# KiCad board xiao_Breadboard_r1.kicad_pcb (continued)
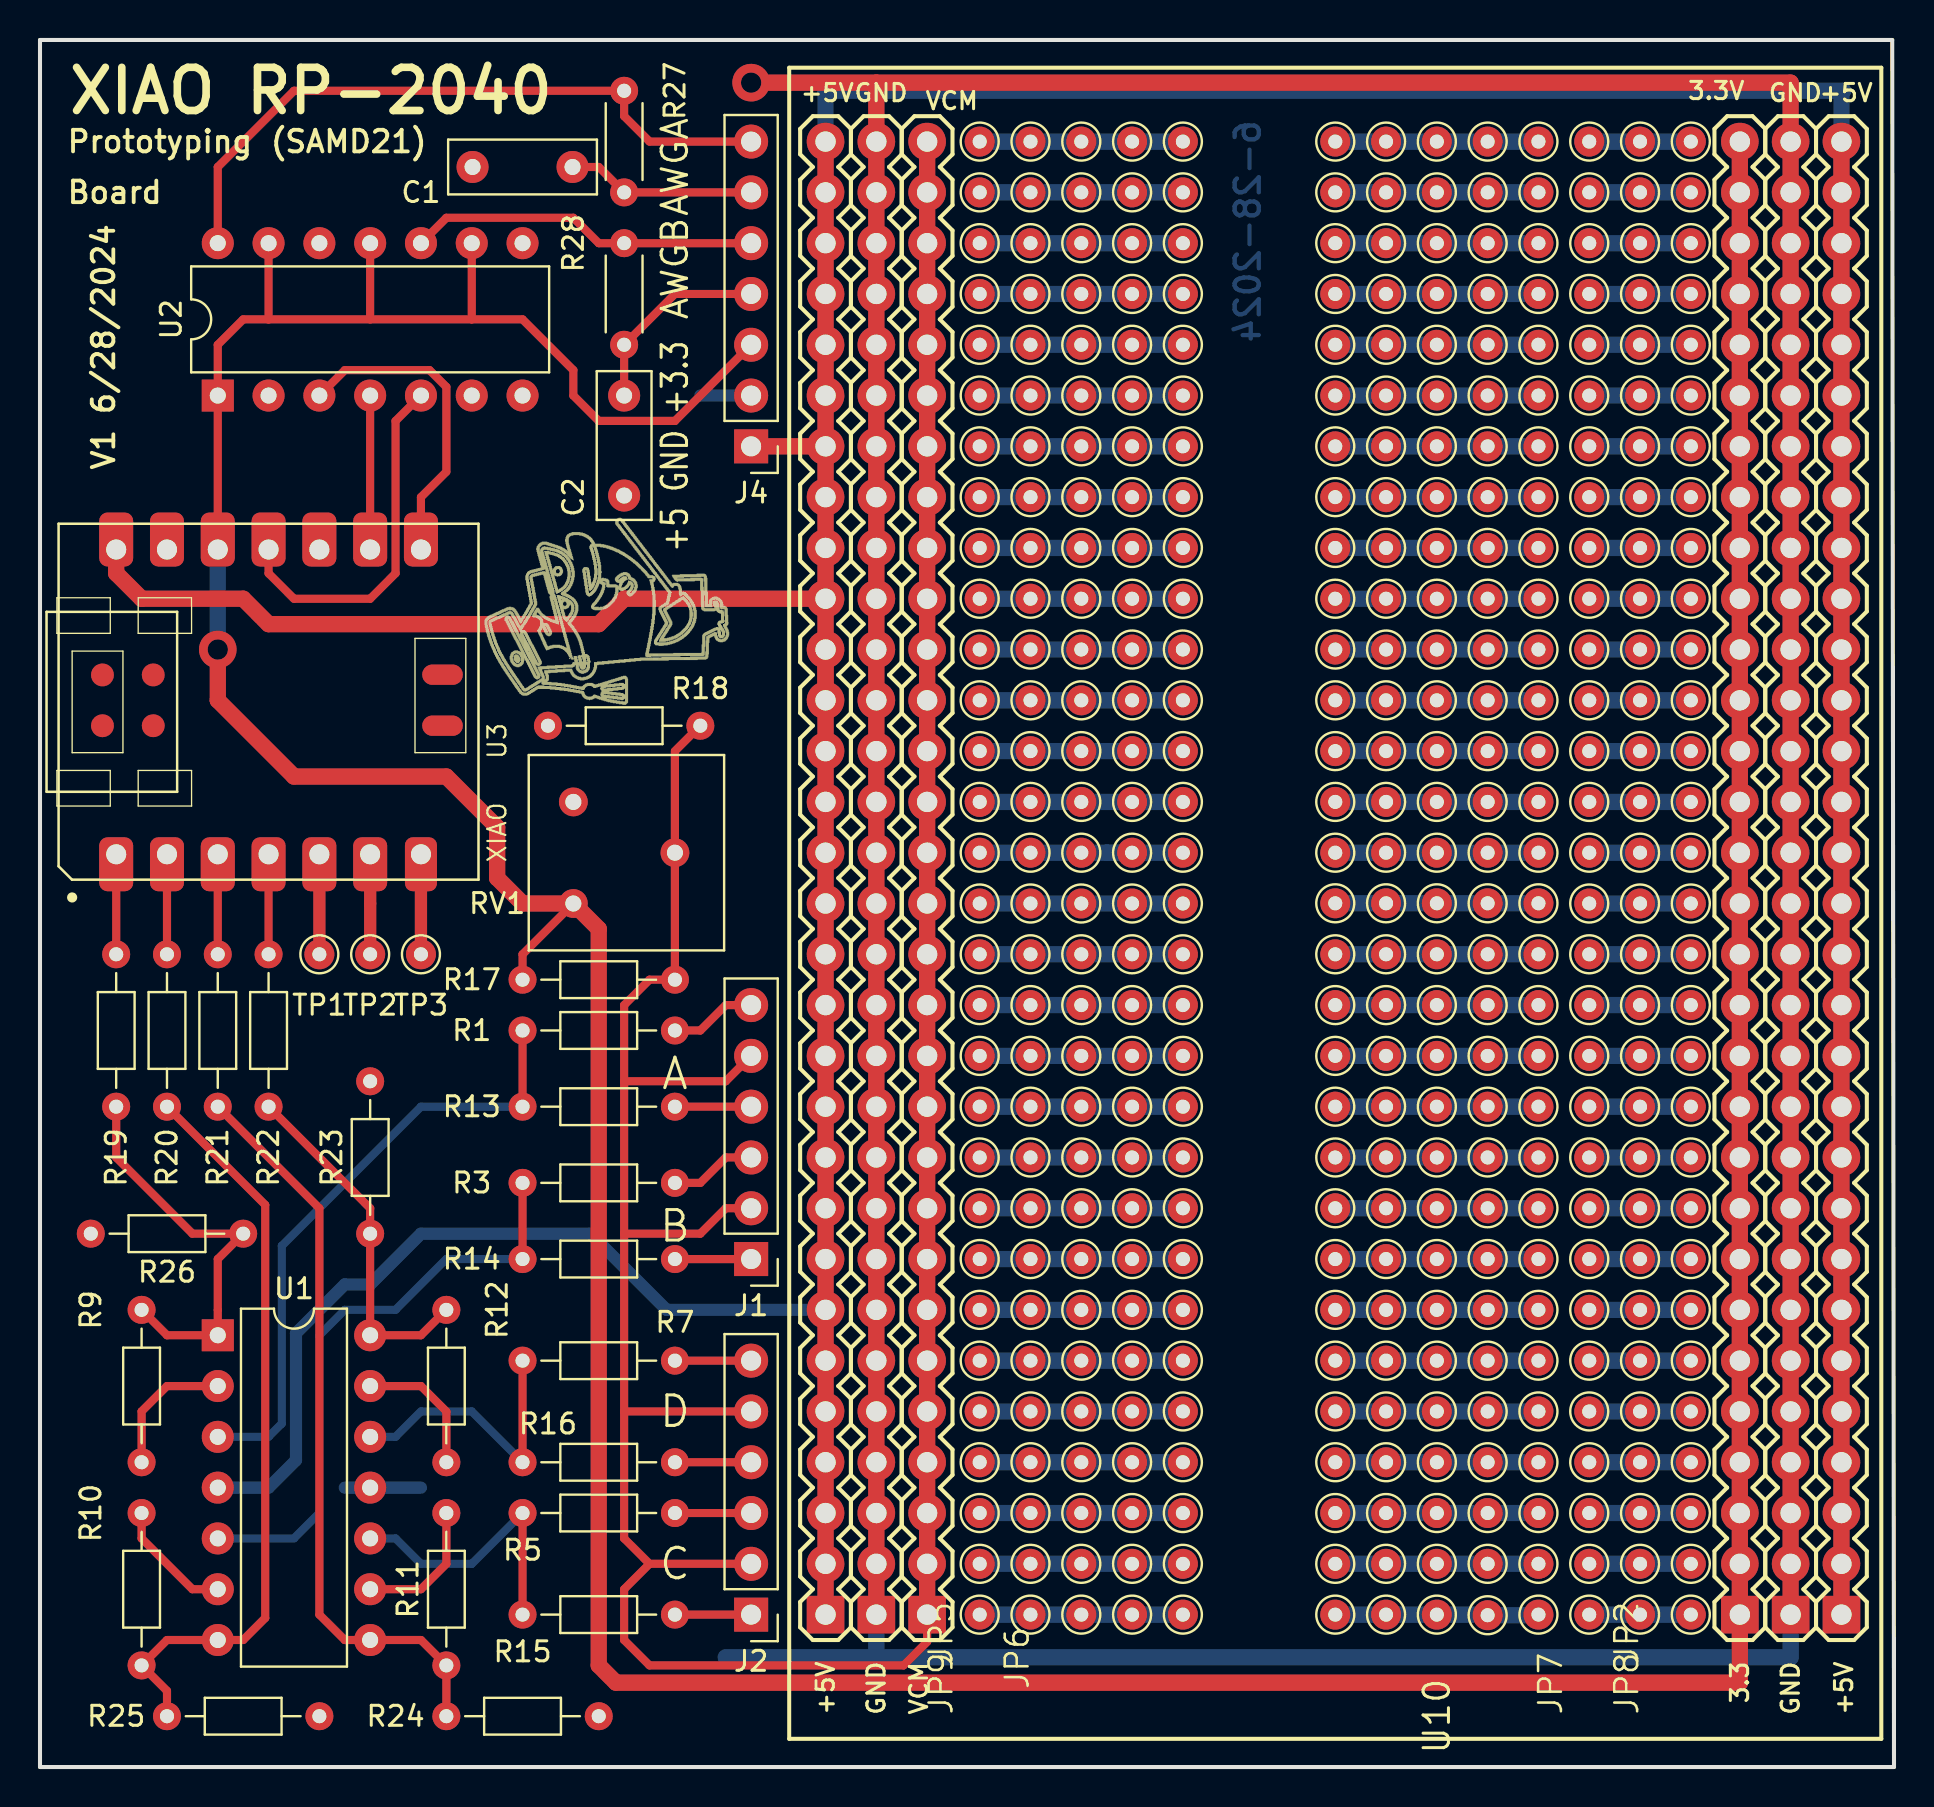
[diagram p0: board, top side]
## Placement (name value [footprint] x y rotation side) (continued)
TP242  ~  [TestPoint_THTPad_D1.5mm_Drill0.7mm]  72.39 38.1 0 top
TP243  ~  [TestPoint_THTPad_D1.5mm_Drill0.7mm]  74.93 38.1 0 top
TP244  ~  [TestPoint_THTPad_D1.5mm_Drill0.7mm]  64.77 35.56 0 top
TP245  ~  [TestPoint_THTPad_D1.5mm_Drill0.7mm]  67.31 35.56 0 top
TP246  ~  [TestPoint_THTPad_D1.5mm_Drill0.7mm]  69.85 35.56 0 top
TP247  ~  [TestPoint_THTPad_D1.5mm_Drill0.7mm]  72.39 35.56 0 top
TP248  ~  [TestPoint_THTPad_D1.5mm_Drill0.7mm]  74.93 35.56 0 top
TP249  ~  [TestPoint_THTPad_D1.5mm_Drill0.7mm]  64.77 33.02 0 top
TP250  ~  [TestPoint_THTPad_D1.5mm_Drill0.7mm]  67.31 33.02 0 top
TP251  ~  [TestPoint_THTPad_D1.5mm_Drill0.7mm]  69.85 33.02 0 top
TP252  ~  [TestPoint_THTPad_D1.5mm_Drill0.7mm]  72.39 33.02 0 top
TP253  ~  [TestPoint_THTPad_D1.5mm_Drill0.7mm]  74.93 33.02 0 top
TP254  ~  [TestPoint_THTPad_D1.5mm_Drill0.7mm]  64.77 30.48 0 top
TP255  ~  [TestPoint_THTPad_D1.5mm_Drill0.7mm]  67.31 30.48 0 top
TP256  ~  [TestPoint_THTPad_D1.5mm_Drill0.7mm]  69.85 30.48 0 top
TP257  ~  [TestPoint_THTPad_D1.5mm_Drill0.7mm]  72.39 30.48 0 top
TP258  ~  [TestPoint_THTPad_D1.5mm_Drill0.7mm]  74.93 30.48 0 top
TP259  ~  [TestPoint_THTPad_D1.5mm_Drill0.7mm]  64.77 27.94 0 top
TP260  ~  [TestPoint_THTPad_D1.5mm_Drill0.7mm]  67.31 27.94 0 top
TP261  ~  [TestPoint_THTPad_D1.5mm_Drill0.7mm]  69.85 27.94 0 top
TP262  ~  [TestPoint_THTPad_D1.5mm_Drill0.7mm]  72.39 27.94 0 top
TP263  ~  [TestPoint_THTPad_D1.5mm_Drill0.7mm]  74.93 27.94 0 top
TP264  ~  [TestPoint_THTPad_D1.5mm_Drill0.7mm]  72.39 25.4 0 top
TP265  ~  [TestPoint_THTPad_D1.5mm_Drill0.7mm]  74.93 25.4 0 top
TP266  ~  [TestPoint_THTPad_D1.5mm_Drill0.7mm]  64.77 25.4 0 top
TP267  ~  [TestPoint_THTPad_D1.5mm_Drill0.7mm]  67.31 25.4 0 top
TP268  ~  [TestPoint_THTPad_D1.5mm_Drill0.7mm]  69.85 25.4 0 top
TP269  ~  [TestPoint_THTPad_D1.5mm_Drill0.7mm]  64.77 22.86 0 top
TP270  ~  [TestPoint_THTPad_D1.5mm_Drill0.7mm]  67.31 22.86 0 top
TP271  ~  [TestPoint_THTPad_D1.5mm_Drill0.7mm]  69.85 22.86 0 top
TP272  ~  [TestPoint_THTPad_D1.5mm_Drill0.7mm]  72.39 22.86 0 top
TP273  ~  [TestPoint_THTPad_D1.5mm_Drill0.7mm]  74.93 22.86 0 top
TP274  ~  [TestPoint_THTPad_D1.5mm_Drill0.7mm]  64.77 20.32 0 top
TP275  ~  [TestPoint_THTPad_D1.5mm_Drill0.7mm]  67.31 20.32 0 top
TP276  ~  [TestPoint_THTPad_D1.5mm_Drill0.7mm]  69.85 20.32 0 top
TP277  ~  [TestPoint_THTPad_D1.5mm_Drill0.7mm]  72.39 20.32 0 top
TP278  ~  [TestPoint_THTPad_D1.5mm_Drill0.7mm]  74.93 20.32 0 top
TP279  ~  [TestPoint_THTPad_D1.5mm_Drill0.7mm]  64.77 17.78 0 top
TP280  ~  [TestPoint_THTPad_D1.5mm_Drill0.7mm]  67.31 17.78 0 top
TP281  ~  [TestPoint_THTPad_D1.5mm_Drill0.7mm]  69.85 17.78 0 top
TP282  ~  [TestPoint_THTPad_D1.5mm_Drill0.7mm]  72.39 17.78 0 top
TP283  ~  [TestPoint_THTPad_D1.5mm_Drill0.7mm]  74.93 17.78 0 top
TP284  ~  [TestPoint_THTPad_D1.5mm_Drill0.7mm]  64.77 15.24 0 top
TP285  ~  [TestPoint_THTPad_D1.5mm_Drill0.7mm]  67.31 15.24 0 top
TP286  ~  [TestPoint_THTPad_D1.5mm_Drill0.7mm]  69.85 15.24 0 top
TP287  ~  [TestPoint_THTPad_D1.5mm_Drill0.7mm]  72.39 15.24 0 top
TP288  ~  [TestPoint_THTPad_D1.5mm_Drill0.7mm]  74.93 15.24 0 top
TP289  ~  [TestPoint_THTPad_D1.5mm_Drill0.7mm]  64.77 12.7 0 top
TP290  ~  [TestPoint_THTPad_D1.5mm_Drill0.7mm]  67.31 12.7 0 top
TP291  ~  [TestPoint_THTPad_D1.5mm_Drill0.7mm]  69.85 12.7 0 top
TP292  ~  [TestPoint_THTPad_D1.5mm_Drill0.7mm]  72.39 12.7 0 top
TP293  ~  [TestPoint_THTPad_D1.5mm_Drill0.7mm]  74.93 12.7 0 top
TP294  ~  [TestPoint_THTPad_D1.5mm_Drill0.7mm]  64.77 10.16 0 top
TP295  ~  [TestPoint_THTPad_D1.5mm_Drill0.7mm]  67.31 10.16 0 top
TP296  ~  [TestPoint_THTPad_D1.5mm_Drill0.7mm]  69.85 10.16 0 top
TP297  ~  [TestPoint_THTPad_D1.5mm_Drill0.7mm]  72.39 10.16 0 top
TP298  ~  [TestPoint_THTPad_D1.5mm_Drill0.7mm]  74.93 10.16 0 top
TP299  ~  [TestPoint_THTPad_D1.5mm_Drill0.7mm]  64.77 7.62 0 top
TP300  ~  [TestPoint_THTPad_D1.5mm_Drill0.7mm]  67.31 7.62 0 top
TP301  ~  [TestPoint_THTPad_D1.5mm_Drill0.7mm]  69.85 7.62 0 top
TP302  ~  [TestPoint_THTPad_D1.5mm_Drill0.7mm]  72.39 7.59 0 top
TP303  ~  [TestPoint_THTPad_D1.5mm_Drill0.7mm]  74.93 7.62 0 top
TP304  ~  [TestPoint_THTPad_D1.5mm_Drill0.7mm]  77.47 81.28 0 top
TP305  ~  [TestPoint_THTPad_D1.5mm_Drill0.7mm]  80.01 81.28 0 top
TP306  ~  [TestPoint_THTPad_D1.5mm_Drill0.7mm]  82.55 81.28 0 top
TP307  ~  [TestPoint_THTPad_D1.5mm_Drill0.7mm]  77.47 78.74 0 top
TP308  ~  [TestPoint_THTPad_D1.5mm_Drill0.7mm]  77.47 76.2 0 top
TP309  ~  [TestPoint_THTPad_D1.5mm_Drill0.7mm]  80.01 76.2 0 top
TP310  ~  [TestPoint_THTPad_D1.5mm_Drill0.7mm]  82.55 76.2 0 top
TP311  ~  [TestPoint_THTPad_D1.5mm_Drill0.7mm]  77.47 73.66 0 top
TP312  ~  [TestPoint_THTPad_D1.5mm_Drill0.7mm]  80.01 73.66 0 top
TP313  ~  [TestPoint_THTPad_D1.5mm_Drill0.7mm]  82.55 73.66 0 top
TP314  ~  [TestPoint_THTPad_D1.5mm_Drill0.7mm]  77.47 71.12 0 top
TP315  ~  [TestPoint_THTPad_D1.5mm_Drill0.7mm]  80.01 71.12 0 top
TP316  ~  [TestPoint_THTPad_D1.5mm_Drill0.7mm]  82.55 71.12 0 top
TP317  ~  [TestPoint_THTPad_D1.5mm_Drill0.7mm]  77.47 68.58 0 top
TP318  ~  [TestPoint_THTPad_D1.5mm_Drill0.7mm]  77.47 66.04 0 top
TP319  ~  [TestPoint_THTPad_D1.5mm_Drill0.7mm]  80.01 66.04 0 top
TP320  ~  [TestPoint_THTPad_D1.5mm_Drill0.7mm]  82.55 66.04 0 top
TP321  ~  [TestPoint_THTPad_D1.5mm_Drill0.7mm]  77.47 63.5 0 top
TP322  ~  [TestPoint_THTPad_D1.5mm_Drill0.7mm]  80.01 63.5 0 top
TP323  ~  [TestPoint_THTPad_D1.5mm_Drill0.7mm]  82.55 63.5 0 top
TP324  ~  [TestPoint_THTPad_D1.5mm_Drill0.7mm]  77.47 60.96 0 top
TP325  ~  [TestPoint_THTPad_D1.5mm_Drill0.7mm]  80.01 60.96 0 top
TP326  ~  [TestPoint_THTPad_D1.5mm_Drill0.7mm]  82.55 60.96 0 top
TP327  ~  [TestPoint_THTPad_D1.5mm_Drill0.7mm]  77.47 58.42 0 top
TP328  ~  [TestPoint_THTPad_D1.5mm_Drill0.7mm]  80.01 58.42 0 top
TP329  ~  [TestPoint_THTPad_D1.5mm_Drill0.7mm]  82.55 58.42 0 top
TP330  ~  [TestPoint_THTPad_D1.5mm_Drill0.7mm]  77.47 55.88 0 top
TP331  ~  [TestPoint_THTPad_D1.5mm_Drill0.7mm]  80.01 55.88 0 top
TP332  ~  [TestPoint_THTPad_D1.5mm_Drill0.7mm]  82.55 55.88 0 top
TP333  ~  [TestPoint_THTPad_D1.5mm_Drill0.7mm]  80.01 78.74 0 top
TP334  ~  [TestPoint_THTPad_D1.5mm_Drill0.7mm]  82.55 78.74 0 top
TP335  ~  [TestPoint_THTPad_D1.5mm_Drill0.7mm]  77.47 53.34 0 top
TP336  ~  [TestPoint_THTPad_D1.5mm_Drill0.7mm]  80.01 53.34 0 top
TP337  ~  [TestPoint_THTPad_D1.5mm_Drill0.7mm]  82.55 53.34 0 top
TP338  ~  [TestPoint_THTPad_D1.5mm_Drill0.7mm]  77.47 50.8 0 top
TP339  ~  [TestPoint_THTPad_D1.5mm_Drill0.7mm]  80.01 50.8 0 top
TP340  ~  [TestPoint_THTPad_D1.5mm_Drill0.7mm]  82.55 50.8 0 top
TP341  ~  [TestPoint_THTPad_D1.5mm_Drill0.7mm]  77.47 48.26 0 top
TP342  ~  [TestPoint_THTPad_D1.5mm_Drill0.7mm]  80.01 48.26 0 top
TP343  ~  [TestPoint_THTPad_D1.5mm_Drill0.7mm]  82.55 48.26 0 top
TP344  ~  [TestPoint_THTPad_D1.5mm_Drill0.7mm]  77.47 45.72 0 top
TP345  ~  [TestPoint_THTPad_D1.5mm_Drill0.7mm]  80.01 45.72 0 top
TP346  ~  [TestPoint_THTPad_D1.5mm_Drill0.7mm]  82.55 45.72 0 top
TP347  ~  [TestPoint_THTPad_D1.5mm_Drill0.7mm]  82.55 68.58 0 top
TP348  ~  [TestPoint_THTPad_D1.5mm_Drill0.7mm]  80.01 68.58 0 top
TP349  ~  [TestPoint_THTPad_D1.5mm_Drill0.7mm]  77.47 43.18 0 top
TP350  ~  [TestPoint_THTPad_D1.5mm_Drill0.7mm]  80.01 43.18 0 top
TP351  ~  [TestPoint_THTPad_D1.5mm_Drill0.7mm]  82.55 43.18 0 top
TP352  ~  [TestPoint_THTPad_D1.5mm_Drill0.7mm]  77.47 40.64 0 top
TP353  ~  [TestPoint_THTPad_D1.5mm_Drill0.7mm]  80.01 40.64 0 top
TP354  ~  [TestPoint_THTPad_D1.5mm_Drill0.7mm]  82.55 40.64 0 top
TP355  ~  [TestPoint_THTPad_D1.5mm_Drill0.7mm]  77.47 38.1 0 top
TP356  ~  [TestPoint_THTPad_D1.5mm_Drill0.7mm]  80.01 38.1 0 top
TP357  ~  [TestPoint_THTPad_D1.5mm_Drill0.7mm]  82.55 38.1 0 top
TP358  ~  [TestPoint_THTPad_D1.5mm_Drill0.7mm]  77.47 35.56 0 top
TP359  ~  [TestPoint_THTPad_D1.5mm_Drill0.7mm]  80.01 35.56 0 top
TP360  ~  [TestPoint_THTPad_D1.5mm_Drill0.7mm]  82.55 35.56 0 top
TP361  ~  [TestPoint_THTPad_D1.5mm_Drill0.7mm]  77.47 33.02 0 top
TP362  ~  [TestPoint_THTPad_D1.5mm_Drill0.7mm]  80.01 33.02 0 top
TP363  ~  [TestPoint_THTPad_D1.5mm_Drill0.7mm]  82.55 33.02 0 top
TP364  ~  [TestPoint_THTPad_D1.5mm_Drill0.7mm]  77.47 30.48 0 top
TP365  ~  [TestPoint_THTPad_D1.5mm_Drill0.7mm]  80.01 30.48 0 top
TP366  ~  [TestPoint_THTPad_D1.5mm_Drill0.7mm]  82.55 30.48 0 top
TP367  ~  [TestPoint_THTPad_D1.5mm_Drill0.7mm]  77.47 27.94 0 top
TP368  ~  [TestPoint_THTPad_D1.5mm_Drill0.7mm]  80.01 27.94 0 top
TP369  ~  [TestPoint_THTPad_D1.5mm_Drill0.7mm]  82.55 27.94 0 top
TP370  ~  [TestPoint_THTPad_D1.5mm_Drill0.7mm]  77.47 25.4 0 top
TP371  ~  [TestPoint_THTPad_D1.5mm_Drill0.7mm]  80.01 25.4 0 top
TP372  ~  [TestPoint_THTPad_D1.5mm_Drill0.7mm]  82.55 25.4 0 top
TP373  ~  [TestPoint_THTPad_D1.5mm_Drill0.7mm]  77.47 22.86 0 top
TP374  ~  [TestPoint_THTPad_D1.5mm_Drill0.7mm]  80.01 22.86 0 top
TP375  ~  [TestPoint_THTPad_D1.5mm_Drill0.7mm]  82.55 22.86 0 top
TP376  ~  [TestPoint_THTPad_D1.5mm_Drill0.7mm]  77.47 20.32 0 top
TP377  ~  [TestPoint_THTPad_D1.5mm_Drill0.7mm]  80.01 20.32 0 top
TP378  ~  [TestPoint_THTPad_D1.5mm_Drill0.7mm]  82.55 20.32 0 top
TP379  ~  [TestPoint_THTPad_D1.5mm_Drill0.7mm]  77.47 17.78 0 top
TP380  ~  [TestPoint_THTPad_D1.5mm_Drill0.7mm]  80.01 17.78 0 top
TP381  ~  [TestPoint_THTPad_D1.5mm_Drill0.7mm]  82.55 17.78 0 top
TP382  ~  [TestPoint_THTPad_D1.5mm_Drill0.7mm]  77.47 15.24 0 top
TP383  ~  [TestPoint_THTPad_D1.5mm_Drill0.7mm]  80.01 15.24 0 top
TP384  ~  [TestPoint_THTPad_D1.5mm_Drill0.7mm]  82.55 15.24 0 top
TP385  ~  [TestPoint_THTPad_D1.5mm_Drill0.7mm]  77.47 12.7 0 top
TP386  ~  [TestPoint_THTPad_D1.5mm_Drill0.7mm]  80.01 12.7 0 top
TP387  ~  [TestPoint_THTPad_D1.5mm_Drill0.7mm]  82.55 12.7 0 top
TP388  ~  [TestPoint_THTPad_D1.5mm_Drill0.7mm]  77.47 10.16 0 top
TP389  ~  [TestPoint_THTPad_D1.5mm_Drill0.7mm]  80.01 10.16 0 top
TP390  ~  [TestPoint_THTPad_D1.5mm_Drill0.7mm]  82.55 10.16 0 top
TP391  ~  [TestPoint_THTPad_D1.5mm_Drill0.7mm]  82.55 7.62 0 top
TP392  ~  [TestPoint_THTPad_D1.5mm_Drill0.7mm]  80.01 7.62 0 top
TP393  ~  [TestPoint_THTPad_D1.5mm_Drill0.7mm]  77.47 7.62 0 top
U1  LM324  [DIP-14_W7.62mm]  8.89 21.59 0 top
U2  MCP4922-EP  [DIP-14_W7.62mm]  8.89 68.58 90 top
U3  XIAO  [XIAO-MOUDLE14P-SMD-TH]  21.93 44.37 90 top
U10  BREADBOARDCLEAR  [BREADBOARD_CLEAR]  64.77 43.19 270 top

## Library data of the parts
C1 C2 = -: Description: Unpolarized capacitor
J1 J2 = -: Description: Generic connector, single row, 01x06, script generated
J4 = -: Description: Generic connector, single row, 01x07, script generated
R1 R3 R5 R7 R9-R28 = -: Description: Resistor, US symbol
RV1 = -: Description: Potentiometer, US symbol
TP1-TP393 = -: Description: test point
U1 = -: Description: Low-Power, Quad-Operational Amplifiers, DIP-14/SOIC-14/SSOP-14
U2 = -: Description: Dual 12-bit Digital to Analog Converter, SPI Interface, PDIP-14

## Footprints (pads in the part's own frame, mm; a bottom-side part is the same pattern mirrored in y, then rotated)
1X30
  rect 1.88x1.88 hole 1.016: 1(0,0)
  round 1.88 hole 1.016: 2(2.54,0) 3(5.08,0) 4(7.62,0) 5(10.16,0) 6(12.7,0) 7(15.24,0) 8(17.78,0) 9(20.32,0) 10(22.86,0) 11(25.4,0) 12(27.94,0) 13(30.48,0) 14(33.02,0) 15(35.56,0) 16(38.1,0) 17(40.64,0) 18(43.18,0) 19(45.72,0) 20(48.26,0) 21(50.8,0) 22(53.34,0) 23(55.88,0) 24(58.42,0) 25(60.96,0) 26(63.5,0) 27(66.04,0) 28(68.58,0) 29(71.12,0) 30(73.66,0)
C_Rect_L7.2mm_W2.5mm_P5.00mm_FKS2_FKP2_MKS2_MKP2
  round 1.6 hole 0.8: 1(0,0) 2(5,0)
DIP-14_W7.62mm
  rect 1.6x1.6 hole 0.8: 1(0,0)
  oval 1.6x1.6 hole 0.8: 2(0,-2.54) 3(0,-5.08) 4(0,-7.62) 5(0,-10.16) 6(0,-12.7) 7(0,-15.24) 8(7.62,-15.24) 9(7.62,-12.7) 10(7.62,-10.16) 11(7.62,-7.62) 12(7.62,-5.08) 13(7.62,-2.54) 14(7.62,0)
PinHeader_1x06_P2.54mm_Vertical
  rect 1.7x1.7 hole 1: 1(0,0)
  oval 1.7x1.7 hole 1: 2(0,-2.54) 3(0,-5.08) 4(0,-7.62) 5(0,-10.16) 6(0,-12.7)
PinHeader_1x07_P2.54mm_Vertical
  rect 1.7x1.7 hole 1: 1(0,0)
  oval 1.7x1.7 hole 1: 2(0,-2.54) 3(0,-5.08) 4(0,-7.62) 5(0,-10.16) 6(0,-12.7) 7(0,-15.24)
Potentiometer_Bourns_3386F_Vertical
  round 1.44 hole 0.8: 1(0,0) 2(5.08,2.54) 3(0,5.08)
R_Axial_DIN0204_L3.6mm_D1.6mm_P5.08mm_Horizontal
  round 1.4 hole 0.7: 1(0,0)
  oval 1.4x1.4 hole 0.7: 2(5.08,0)
R_Axial_DIN0204_L3.6mm_D1.6mm_P7.62mm_Horizontal
  round 1.4 hole 0.7: 1(0,0)
  oval 1.4x1.4 hole 0.7: 2(7.62,0)
TestPoint_THTPad_D1.5mm_Drill0.7mm
  round 1.5 hole 0.7: 1(0,0)
XIAO-MOUDLE14P-SMD-TH
  rrect 2.7x1.7 hole 1: 1(1.27,18.118) 2(1.27,15.578) 3(1.27,13.038) 4(1.27,10.498) 5(1.27,7.958) 6(1.27,5.418) 8(16.51,2.878) 9(16.51,5.418) 10(16.51,7.958) 11(16.51,10.498) 12(16.51,13.038) 13(16.51,15.578) 14(16.51,18.118)
  rrect 2.7x1.6 hole 1: 7(1.27,2.878)
  oval 1.016x2.032 smd: 15(7.7,1.8) 16(10.25,1.8)
  round 1.143 smd: 17(7.699,18.804) 18(10.239,18.804) 19(7.699,16.264) 20(10.239,16.264)

## Nets
5V: J4.1 JP6.1 JP6.2 JP6.3 JP6.4 JP6.5 JP6.6 JP6.7 JP6.8 JP6.9 JP6.10 JP6.11 JP6.12 JP6.13 JP6.14 JP6.15 JP6.16 JP6.17 JP6.18 JP6.19 JP6.20 JP6.21 JP6.22 JP6.23 JP6.24 JP6.25 JP6.26 JP6.27 JP6.28 JP6.29 JP6.30 JP8.1 JP8.2 JP8.3 JP8.4 JP8.5 JP8.6 JP8.7 JP8.8 JP8.9 JP8.10 JP8.11 JP8.12 JP8.13 JP8.14 JP8.15 JP8.16 JP8.17 JP8.18 JP8.19 JP8.20 JP8.21 JP8.22 JP8.23 JP8.24 JP8.25 JP8.26 JP8.27 JP8.28 JP8.29 JP8.30 U1.4 U3.14
/3.3V: J4.3 JP2.1 JP2.2 JP2.3 JP2.4 JP2.5 JP2.6 JP2.7 JP2.8 JP2.9 JP2.10 JP2.11 JP2.12 JP2.13 JP2.14 JP2.15 JP2.16 JP2.17 JP2.18 JP2.19 JP2.20 JP2.21 JP2.22 JP2.23 JP2.24 JP2.25 JP2.26 JP2.27 JP2.28 JP2.29 JP2.30 R17.1 RV1.1 U2.1 U2.9 U2.11 U2.13 U3.12
GND: C1.2 C2.2 J4.2 JP5.1 JP5.2 JP5.3 JP5.4 JP5.5 JP5.6 JP5.7 JP5.8 JP5.9 JP5.10 JP5.11 JP5.12 JP5.13 JP5.14 JP5.15 JP5.16 JP5.17 JP5.18 JP5.19 JP5.20 JP5.21 JP5.22 JP5.23 JP5.24 JP5.25 JP5.26 JP5.27 JP5.28 JP5.29 JP5.30 JP7.1 JP7.2 JP7.3 JP7.4 JP7.5 JP7.6 JP7.7 JP7.8 JP7.9 JP7.10 JP7.11 JP7.12 JP7.13 JP7.14 JP7.15 JP7.16 JP7.17 JP7.18 JP7.19 JP7.20 JP7.21 JP7.22 JP7.23 JP7.24 JP7.25 JP7.26 JP7.27 JP7.28 JP7.29 JP7.30 R18.2 R23.2 R24.2 R25.2 R26.2 RV1.3 U1.11 U2.8 U2.12 U3.13
/A: J1.6 R1.2
/B: J1.3 R3.2
/C: J2.3 R5.2
/D: J2.6 R7.2
/VCM: J1.2 J1.5 J2.2 J2.5 JP9.1 JP9.2 JP9.3 JP9.4 JP9.5 JP9.6 JP9.7 JP9.8 JP9.9 JP9.10 JP9.11 JP9.12 JP9.13 JP9.14 JP9.15 JP9.16 JP9.17 JP9.18 JP9.19 JP9.20 JP9.21 JP9.22 JP9.23 JP9.24 JP9.25 JP9.26 JP9.27 JP9.28 JP9.29 JP9.30 R17.2 R18.1 RV1.2
/x5: TP1.1 U3.5
/x6: TP2.1 U3.6
/x7: TP3.1 U3.7
Net-(J1-Pin_1): J1.1 R14.2
Net-(J1-Pin_4): J1.4 R13.2
Net-(J2-Pin_1): J2.1 R15.2
Net-(J2-Pin_4): J2.4 R16.2
Net-(J4-Pin_4): C2.1 J4.4 R28.1
Net-(J4-Pin_5): J4.5 R28.2 U2.10
Net-(J4-Pin_6): C1.1 J4.6 R27.1
Net-(J4-Pin_7): J4.7 R27.2 U2.14
Net-(R10-Pad1): R10.1 R20.2 R25.1 U1.7
Net-(R11-Pad1): R11.1 R21.2 R24.1 U1.8
Net-(R12-Pad1): R12.1 R22.2 R23.1 U1.14
Net-(R19-Pad2): R9.1 R19.2 R26.1 U1.1
Net-(TP4-Pad1): TP4.1 TP5.1 TP6.1 TP7.1 TP8.1
Net-(TP10-Pad1): TP9.1 TP10.1 TP11.1 TP12.1 TP13.1
Net-(TP14-Pad1): TP14.1 TP15.1 TP16.1 TP17.1 TP18.1
Net-(TP19-Pad1): TP19.1 TP20.1 TP21.1 TP22.1 TP23.1
Net-(TP24-Pad1): TP24.1 TP25.1 TP26.1 TP27.1 TP28.1
Net-(TP29-Pad1): TP29.1 TP30.1 TP31.1 TP32.1 TP33.1
Net-(TP34-Pad1): TP34.1 TP35.1 TP36.1 TP37.1 TP38.1
Net-(TP39-Pad1): TP39.1 TP40.1 TP41.1 TP42.1 TP43.1
Net-(TP44-Pad1): TP44.1 TP45.1 TP46.1 TP47.1 TP48.1
Net-(TP49-Pad1): TP49.1 TP50.1 TP51.1 TP52.1 TP53.1
Net-(TP54-Pad1): TP54.1 TP55.1 TP56.1 TP57.1 TP58.1
Net-(TP59-Pad1): TP59.1 TP60.1 TP61.1 TP62.1 TP63.1
Net-(TP64-Pad1): TP64.1 TP65.1 TP66.1 TP67.1 TP68.1
Net-(TP69-Pad1): TP69.1 TP70.1 TP71.1 TP72.1 TP73.1
Net-(TP74-Pad1): TP74.1 TP75.1 TP76.1 TP77.1 TP78.1
Net-(TP79-Pad1): TP79.1 TP80.1 TP81.1 TP82.1 TP83.1
Net-(TP84-Pad1): TP84.1 TP85.1 TP86.1 TP87.1 TP88.1
Net-(TP89-Pad1): TP89.1 TP90.1 TP91.1 TP92.1 TP93.1
Net-(TP94-Pad1): TP94.1 TP95.1 TP96.1 TP97.1 TP98.1
Net-(TP100-Pad1): TP99.1 TP100.1 TP101.1 TP102.1 TP103.1
Net-(TP104-Pad1): TP104.1 TP105.1 TP106.1 TP107.1 TP108.1
Net-(TP109-Pad1): TP109.1 TP110.1 TP111.1 TP112.1 TP113.1
Net-(TP114-Pad1): TP114.1 TP115.1 TP116.1 TP117.1 TP118.1
Net-(TP119-Pad1): TP119.1 TP120.1 TP121.1 TP122.1 TP123.1
Net-(TP124-Pad1): TP124.1 TP125.1 TP126.1 TP127.1 TP128.1
Net-(TP129-Pad1): TP129.1 TP130.1 TP131.1 TP132.1 TP133.1
Net-(TP134-Pad1): TP134.1 TP135.1 TP136.1 TP137.1 TP138.1
Net-(TP139-Pad1): TP139.1 TP140.1 TP141.1 TP142.1 TP143.1
Net-(TP144-Pad1): TP144.1 TP145.1 TP146.1 TP147.1 TP148.1
Net-(TP149-Pad1): TP149.1 TP150.1 TP151.1 TP152.1 TP153.1
Net-(TP154-Pad1): TP154.1 TP155.1 TP156.1 TP157.1 TP158.1
Net-(TP159-Pad1): TP159.1 TP160.1 TP161.1 TP162.1 TP163.1
Net-(TP164-Pad1): TP164.1 TP165.1 TP166.1 TP167.1 TP168.1
Net-(TP169-Pad1): TP169.1 TP170.1 TP171.1 TP172.1 TP173.1
Net-(TP174-Pad1): TP174.1 TP175.1 TP176.1 TP177.1 TP178.1
Net-(TP179-Pad1): TP179.1 TP180.1 TP181.1 TP182.1 TP183.1
Net-(TP184-Pad1): TP184.1 TP185.1 TP186.1 TP187.1 TP188.1
Net-(TP189-Pad1): TP189.1 TP190.1 TP191.1 TP192.1 TP193.1
Net-(TP194-Pad1): TP194.1 TP195.1 TP196.1 TP197.1 TP198.1
Net-(TP199-Pad1): TP199.1 TP200.1 TP201.1 TP202.1 TP203.1
Net-(TP204-Pad1): TP204.1 TP205.1 TP206.1 TP207.1 TP208.1
Net-(TP209-Pad1): TP209.1 TP210.1 TP211.1 TP212.1 TP213.1
Net-(TP214-Pad1): TP214.1 TP215.1 TP216.1 TP217.1 TP218.1
Net-(TP219-Pad1): TP219.1 TP220.1 TP221.1 TP222.1 TP223.1
Net-(TP224-Pad1): TP224.1 TP225.1 TP226.1 TP227.1 TP228.1
Net-(TP229-Pad1): TP229.1 TP230.1 TP231.1 TP232.1 TP233.1
Net-(TP234-Pad1): TP234.1 TP235.1 TP236.1 TP237.1 TP238.1
Net-(TP239-Pad1): TP239.1 TP240.1 TP241.1 TP242.1 TP243.1
Net-(TP244-Pad1): TP244.1 TP245.1 TP246.1 TP247.1 TP248.1
Net-(TP249-Pad1): TP249.1 TP250.1 TP251.1 TP252.1 TP253.1
Net-(TP254-Pad1): TP254.1 TP255.1 TP256.1 TP257.1 TP258.1
Net-(TP259-Pad1): TP259.1 TP260.1 TP261.1 TP262.1 TP263.1
Net-(TP264-Pad1): TP264.1 TP265.1 TP266.1 TP267.1 TP268.1
Net-(TP269-Pad1): TP269.1 TP270.1 TP271.1 TP272.1 TP273.1
Net-(TP274-Pad1): TP274.1 TP275.1 TP276.1 TP277.1 TP278.1
Net-(TP279-Pad1): TP279.1 TP280.1 TP281.1 TP282.1 TP283.1
Net-(TP284-Pad1): TP284.1 TP285.1 TP286.1 TP287.1 TP288.1
Net-(TP289-Pad1): TP289.1 TP290.1 TP291.1 TP292.1 TP293.1
Net-(TP294-Pad1): TP294.1 TP295.1 TP296.1 TP297.1 TP298.1
Net-(TP299-Pad1): TP299.1 TP300.1 TP301.1 TP302.1 TP303.1
Net-(TP304-Pad1): TP304.1 TP305.1 TP306.1
Net-(TP307-Pad1): TP307.1 TP333.1 TP334.1
Net-(TP308-Pad1): TP308.1 TP309.1 TP310.1
Net-(TP311-Pad1): TP311.1 TP312.1 TP313.1
Net-(TP314-Pad1): TP314.1 TP315.1 TP316.1
Net-(TP317-Pad1): TP317.1 TP347.1 TP348.1
Net-(TP318-Pad1): TP318.1 TP319.1 TP320.1
Net-(TP321-Pad1): TP321.1 TP322.1 TP323.1
Net-(TP324-Pad1): TP324.1 TP325.1 TP326.1
Net-(TP327-Pad1): TP327.1 TP328.1 TP329.1
Net-(TP330-Pad1): TP330.1 TP331.1 TP332.1
Net-(TP335-Pad1): TP335.1 TP336.1 TP337.1
Net-(TP338-Pad1): TP338.1 TP339.1 TP340.1
Net-(TP341-Pad1): TP341.1 TP342.1 TP343.1
Net-(TP344-Pad1): TP344.1 TP345.1 TP346.1
Net-(TP349-Pad1): TP349.1 TP350.1 TP351.1
Net-(TP352-Pad1): TP352.1 TP353.1 TP354.1
Net-(TP355-Pad1): TP355.1 TP356.1 TP357.1
Net-(TP358-Pad1): TP358.1 TP359.1 TP360.1
Net-(TP361-Pad1): TP361.1 TP362.1 TP363.1
Net-(TP364-Pad1): TP364.1 TP365.1 TP366.1
Net-(TP367-Pad1): TP367.1 TP368.1 TP369.1
Net-(TP370-Pad1): TP370.1 TP371.1 TP372.1
Net-(TP373-Pad1): TP373.1 TP374.1 TP375.1
Net-(TP376-Pad1): TP376.1 TP377.1 TP378.1
Net-(TP379-Pad1): TP379.1 TP380.1 TP381.1
Net-(TP382-Pad1): TP382.1 TP383.1 TP384.1
Net-(TP385-Pad1): TP385.1 TP386.1 TP387.1
Net-(TP388-Pad1): TP388.1 TP389.1 TP390.1
Net-(TP391-Pad1): TP391.1 TP392.1 TP393.1
Net-(U1A-+): R1.1 R13.1 U1.3
Net-(U1A--): R9.2 U1.2
Net-(U1B-+): R3.1 R14.1 U1.5
Net-(U1B--): R10.2 U1.6
Net-(U1C-+): R5.1 R15.1 U1.10
Net-(U1C--): R11.2 U1.9
Net-(U1D-+): R7.1 R16.1 U1.12
Net-(U1D--): R12.2 U1.13
Net-(U2-SCK): U2.4 U3.9
Net-(U2-SDI): U2.5 U3.11
Net-(U2-~{CS}): U2.3 U3.8
Net-(U3-PA02_A0_D0): R19.1 U3.1
Net-(U3-PA4_A1_D1): R20.1 U3.2
Net-(U3-PA10_A2_D2): R21.1 U3.3
Net-(U3-PA11_A3_D3): R22.1 U3.4

Pads without a net: U2 2 6 7; U3 10 15 16 17 18 19 20

## Via types
v1: diameter 1.88, hole 1.016, Top to Bottom, 2 vias

## Routing (per net, layer and track width the routed paths; a pad name or vN(x,y) marks a point on that pad's centre or on a via; arc(x,y) is an arc through that point)
5V: length 289.3
  Top w0.813: JP6.21 29.21,58.42 27.94,57.15 11.43,57.15 10.16,58.42 5.08,58.42 3.81,59.69 U3.14 ; 39.28,8.03 39.28,53.75 ; 39.28,81.69 39.28,53.75 ; 90.08,81.69 JP8.1 ; J4.1 JP6.24 ; 39.28,53.75 39.28,56.29
  Bottom w0.61: JP6.7 31.33,22.86 27.52,26.67 19.05,26.67 16.51,24.13 15.24,24.13 12.8,21.69 12.8,15.34 11.43,13.97 U1.4 ; 90.08,81.69 89.95,81.69
  Bottom w0.813: JP8.30 90.08,83.73 90.17,83.82 39.37,83.82 39.28,83.73 JP6.30
/3.3V: length 265.2
  Top w0.203: 85,8.03 85,10.57
  Top w0.406: 21.59,72.39 16.51,72.39 ; 21.59,72.39 U2.9 ; 21.59,72.39 24.13,72.39 26.67,69.85 26.67,68.58 27.94,67.31 31.75,67.31 J4.3 ; 16.51,72.39 U2.11 ; 16.51,72.39 11.43,72.39 ; 11.43,72.39 10.16,72.39 8.89,71.12 U2.1 U3.12 ; 11.43,72.39 U2.13 ; R17.1 24.13,40.64 RV1.1
  Top w0.813: v1(8.89,55.88) 8.89,53.34 12.7,49.53 20.32,49.53 22.86,46.99 22.86,44.45 24.13,43.18 RV1.1 27.94,41.91 27.94,5.08 28.8,4.22 85,4.22 85,81.69
  Bottom w0.813: U3.12 v1(8.89,55.88)
GND: length 269.1
  Top w0.813: 41.82,84.23 41.82,8.03 ; 41.82,84.23 87.54,84.23 87.54,8.03 ; 41.82,84.23 v1(35.56,84.23)
  Bottom w0.61: 19.05,13.97 U1.11 15.24,13.97 ; J4.2 33.02,68.58
  Bottom w0.813: 87.54,8.03 87.54,5.49 41.82,5.49 ; 41.82,5.49 34.29,5.49 ; 41.82,5.49 41.82,8.03
/A: length 4.3
  Top w0.406: R1.2 33.02,36.83 34.29,38.1 J1.6
/B: length 4.3
  Top w0.406: R3.2 33.02,29.21 34.29,30.48 J1.3
/C: length 3.8
  Top w0.406: J2.3 R5.2
/D: length 3.8
  Top w0.406: J2.6 R7.2
/VCM: length 165.5
  Top w0.406: J2.2 30.48,10.16 ; 30.48,10.16 29.21,8.89 29.21,6.35 30.48,5.08 43.18,5.08 44.36,6.26 JP9.1 ; 30.48,10.16 29.21,11.43 29.21,17.78 ; J1.2 34.29,27.94 33.02,26.67 29.21,26.67 ; 29.21,34.29 34.29,34.29 J1.5 ; 29.21,34.29 29.21,38.1 30.48,39.37 R17.2 RV1.2 31.75,50.8 R18.1 ; 29.21,34.29 29.21,26.67 ; 29.21,17.78 J2.5 ; 29.21,17.78 29.21,26.67
  Top w0.813: 44.36,8.03 44.36,81.69
/x5: length 5
  Top w0.61: U3.5 TP1.1
/x6: length 5
  Top w0.61: TP2.1 U3.6
/x7: length 5
  Top w0.61: U3.7 TP3.1
Net-(J1-Pin_1): length 3.8
  Top w0.406: J1.1 R14.2
Net-(J1-Pin_4): length 3.8
  Top w0.406: J1.4 R13.2
Net-(J2-Pin_1): length 3.8
  Top w0.406: J2.1 R15.2
Net-(J2-Pin_4): length 3.8
  Top w0.406: J2.4 R16.2
Net-(J4-Pin_4): length 9.9
  Top w0.406: C2.1 R28.1 31.75,73.66 J4.4
Net-(J4-Pin_5): length 17.6
  Top w0.406: J4.5 27.94,76.2 26.67,77.47 20.32,77.47 U2.10
Net-(J4-Pin_6): length 9.5
  Top w0.406: J4.6 R27.1 27.94,80.01 C1.1
Net-(J4-Pin_7): length 33.9
  Top w0.406: U2.14 8.89,80.01 12.7,83.82 R27.2 29.21,82.55 30.48,81.28 J4.7
Net-(R10-Pad1): length 37.8
  Top w0.406: R20.2 11.26,28.11 11.26,7.45 10.16,6.35 U1.7 6.35,6.35 R10.1 6.35,3.81 R25.1
Net-(R11-Pad1): length 37.4
  Top w0.406: R21.2 13.97,27.94 13.97,7.62 15.24,6.35 U1.8 19.05,6.35 R11.1 R24.1
Net-(R12-Pad1): length 17.9
  Top w0.406: R12.1 19.05,21.59 U1.14 R23.1 16.51,27.94 R22.2
Net-(R19-Pad2): length 20.4
  Top w0.406: R19.2 3.81,30.48 7.62,26.67 R26.1 8.89,25.4 U1.1 6.35,21.59 R9.1
Net-(TP4-Pad1): length 10.2
  Bottom w0.813: TP8.1 TP7.1 TP6.1 TP5.1 TP4.1
Net-(TP10-Pad1): length 10.2
  Bottom w0.813: TP9.1 TP10.1 TP11.1 TP12.1 TP13.1
Net-(TP14-Pad1): length 10.2
  Bottom w0.813: TP18.1 TP17.1 TP15.1 TP16.1 TP14.1
Net-(TP19-Pad1): length 10.2
  Bottom w0.813: TP19.1 TP20.1 TP21.1 TP22.1 TP23.1
Net-(TP24-Pad1): length 10.2
  Bottom w0.813: TP28.1 TP27.1 TP26.1 TP25.1 TP24.1
Net-(TP29-Pad1): length 10.2
  Bottom w0.813: TP29.1 TP30.1 TP31.1 TP32.1 TP33.1
Net-(TP34-Pad1): length 10.2
  Bottom w0.813: TP38.1 TP37.1 TP36.1 TP35.1 TP34.1
Net-(TP39-Pad1): length 10.2
  Bottom w0.813: TP43.1 TP42.1 TP41.1 TP40.1 TP39.1
Net-(TP44-Pad1): length 10.2
  Bottom w0.813: TP48.1 TP47.1 TP46.1 TP45.1 TP44.1
Net-(TP49-Pad1): length 10.2
  Bottom w0.813: TP49.1 TP50.1 TP51.1 TP52.1 TP53.1
Net-(TP54-Pad1): length 10.2
  Bottom w0.813: TP54.1 TP55.1 TP56.1 TP57.1 TP58.1
Net-(TP59-Pad1): length 10.2
  Bottom w0.813: TP59.1 TP60.1 TP61.1 TP62.1 TP63.1
Net-(TP64-Pad1): length 10.2
  Bottom w0.813: TP64.1 TP68.1
Net-(TP69-Pad1): length 10.2
  Bottom w0.813: TP73.1 TP72.1 TP71.1 TP70.1 TP69.1
Net-(TP74-Pad1): length 11.4
  Bottom w0.813: TP78.1 53.34,45.72 ; 53.34,45.72 TP77.1 ; 53.34,45.72 TP76.1 TP75.1 TP74.1
Net-(TP79-Pad1): length 10.2
  Bottom w0.813: TP83.1 TP82.1 TP81.1 TP80.1 TP79.1
Net-(TP84-Pad1): length 10.2
  Bottom w0.813: TP88.1 TP87.1 TP86.1 TP85.1 TP84.1
Net-(TP89-Pad1): length 10.2
  Bottom w0.813: TP93.1 TP92.1 TP91.1 TP90.1 TP89.1
Net-(TP94-Pad1): length 10.2
  Bottom w0.813: TP94.1 TP95.1 TP96.1 TP97.1 TP98.1
Net-(TP100-Pad1): length 10.2
  Bottom w0.813: TP99.1 TP100.1 TP101.1 TP102.1 TP103.1
Net-(TP104-Pad1): length 10.2
  Bottom w0.813: TP104.1 TP105.1 TP106.1 TP107.1 TP108.1
Net-(TP109-Pad1): length 10.2
  Bottom w0.813: TP113.1 TP112.1 TP111.1 TP110.1 TP109.1
Net-(TP114-Pad1): length 10.2
  Bottom w0.813: TP114.1 TP115.1 TP116.1 TP117.1 TP118.1
Net-(TP119-Pad1): length 10.2
  Bottom w0.813: TP119.1 TP120.1 TP121.1 TP122.1 TP123.1
Net-(TP124-Pad1): length 10.2
  Bottom w0.813: TP128.1 TP127.1 TP126.1 TP124.1 TP125.1
Net-(TP129-Pad1): length 10.2
  Bottom w0.813: TP133.1 TP132.1 TP131.1 TP130.1 TP129.1
Net-(TP134-Pad1): length 10.2
  Bottom w0.813: TP134.1 TP135.1 TP136.1 TP137.1 TP138.1
Net-(TP139-Pad1): length 10.2
  Bottom w0.813: TP139.1 TP140.1 TP141.1 TP142.1 TP143.1
Net-(TP144-Pad1): length 10.2
  Bottom w0.813: TP148.1 TP147.1 TP146.1 TP145.1 TP144.1
Net-(TP149-Pad1): length 10.2
  Bottom w0.813: TP153.1 TP152.1 TP151.1 TP150.1 TP149.1
Net-(TP154-Pad1): length 10.2
  Bottom w0.813: TP154.1 TP155.1 TP156.1 TP157.1 TP158.1
Net-(TP159-Pad1): length 10.2
  Bottom w0.813: TP159.1 TP160.1 TP161.1 TP162.1 TP163.1
Net-(TP164-Pad1): length 10.2
  Bottom w0.813: TP168.1 TP167.1 TP166.1 TP165.1 TP164.1
Net-(TP169-Pad1): length 10.2
  Bottom w0.813: TP173.1 TP172.1 TP171.1 TP170.1 TP169.1
Net-(TP174-Pad1): length 10.2
  Bottom w0.813: TP178.1 TP177.1 TP176.1 TP175.1 TP174.1
Net-(TP179-Pad1): length 10.2
  Bottom w0.813: TP180.1 TP181.1 TP179.1 TP182.1 TP183.1
Net-(TP184-Pad1): length 10.2
  Bottom w0.813: TP188.1 TP187.1 TP186.1 TP185.1 TP184.1
Net-(TP189-Pad1): length 10.2
  Bottom w0.813: TP189.1 TP190.1 TP191.1 TP192.1 TP193.1
Net-(TP194-Pad1): length 10.2
  Bottom w0.813: TP194.1 TP195.1 TP196.1 TP197.1 TP198.1
Net-(TP199-Pad1): length 10.2
  Bottom w0.813: TP199.1 TP200.1 TP201.1 TP202.1 TP203.1
Net-(TP204-Pad1): length 10.2
  Bottom w0.813: TP204.1 TP205.1 TP206.1 TP207.1 TP208.1
Net-(TP209-Pad1): length 10.2
  Bottom w0.813: TP209.1 TP210.1 TP211.1 TP212.1 TP213.1
Net-(TP214-Pad1): length 10.2
  Bottom w0.813: TP214.1 TP215.1 TP216.1 TP217.1 TP218.1
Net-(TP219-Pad1): length 10.2
  Bottom w0.813: TP219.1 TP220.1 TP221.1 TP222.1 TP223.1
Net-(TP224-Pad1): length 10.2
  Bottom w0.813: TP224.1 TP225.1 TP226.1 TP227.1 TP228.1
Net-(TP229-Pad1): length 10.2
  Bottom w0.813: TP233.1 TP232.1 TP231.1 TP230.1 TP229.1
Net-(TP234-Pad1): length 10.2
  Bottom w0.813: TP238.1 TP237.1 TP236.1 TP235.1 TP234.1
Net-(TP239-Pad1): length 10.2
  Bottom w0.813: TP243.1 TP242.1 TP241.1 TP240.1 TP239.1
Net-(TP244-Pad1): length 10.2
  Bottom w0.813: TP244.1 TP245.1 TP246.1 TP247.1 TP248.1
Net-(TP249-Pad1): length 10.2
  Bottom w0.813: TP253.1 TP252.1 TP251.1 TP250.1 TP249.1
Net-(TP254-Pad1): length 10.2
  Bottom w0.813: TP254.1 TP255.1 TP256.1 TP257.1 TP258.1
Net-(TP259-Pad1): length 10.2
  Bottom w0.813: TP259.1 TP260.1 TP261.1 TP262.1 TP263.1
Net-(TP264-Pad1): length 10.2
  Bottom w0.813: TP265.1 TP264.1 TP268.1 TP267.1 TP266.1
Net-(TP269-Pad1): length 10.2
  Bottom w0.813: TP273.1 TP272.1 TP271.1 TP270.1 TP269.1
Net-(TP274-Pad1): length 10.2
  Bottom w0.813: TP278.1 TP277.1 TP276.1 TP275.1 TP274.1
Net-(TP279-Pad1): length 10.2
  Bottom w0.813: TP283.1 TP282.1 TP281.1 TP280.1 TP279.1
Net-(TP284-Pad1): length 10.2
  Bottom w0.813: TP284.1 TP285.1 TP286.1 TP287.1 TP288.1
Net-(TP289-Pad1): length 10.2
  Bottom w0.813: TP293.1 TP292.1 TP291.1 TP290.1 TP289.1
Net-(TP294-Pad1): length 10.2
  Bottom w0.813: TP294.1 TP295.1 TP296.1 TP297.1 TP298.1
Net-(TP299-Pad1): length 10.2
  Bottom w0.813: TP299.1 TP300.1 TP301.1 72.36,7.62 TP302.1 74.9,7.59 TP303.1
Net-(TP304-Pad1): length 5.1
  Bottom w0.813: TP304.1 TP305.1 TP306.1
Net-(TP307-Pad1): length 5.1
  Bottom w0.813: TP334.1 TP333.1 TP307.1
Net-(TP308-Pad1): length 5.1
  Bottom w0.813: TP308.1 TP309.1 TP310.1
Net-(TP311-Pad1): length 5.1
  Bottom w0.813: TP313.1 TP312.1 TP311.1
Net-(TP314-Pad1): length 5.1
  Bottom w0.813: TP316.1 TP315.1 TP314.1
Net-(TP317-Pad1): length 5.1
  Bottom w0.813: TP317.1 TP348.1 TP347.1
Net-(TP318-Pad1): length 5.1
  Bottom w0.813: TP318.1 TP319.1 TP320.1
Net-(TP321-Pad1): length 5.1
  Bottom w0.813: TP321.1 TP322.1 TP323.1
Net-(TP324-Pad1): length 5.1
  Bottom w0.813: TP326.1 TP325.1 TP324.1
Net-(TP327-Pad1): length 5.1
  Bottom w0.813: TP327.1 TP328.1 TP329.1
Net-(TP330-Pad1): length 5.1
  Bottom w0.813: TP332.1 TP331.1 TP330.1
Net-(TP335-Pad1): length 5.1
  Bottom w0.813: TP337.1 TP336.1 TP335.1
Net-(TP338-Pad1): length 5.1
  Bottom w0.813: TP338.1 TP339.1 TP340.1
Net-(TP341-Pad1): length 5.1
  Bottom w0.813: TP343.1 TP342.1 TP341.1
Net-(TP344-Pad1): length 5.1
  Bottom w0.813: TP344.1 TP345.1 TP346.1
Net-(TP349-Pad1): length 5.1
  Bottom w0.813: TP351.1 TP350.1 TP349.1
Net-(TP352-Pad1): length 5.1
  Bottom w0.813: TP354.1 TP353.1 TP352.1
Net-(TP355-Pad1): length 5.1
  Bottom w0.813: TP357.1 TP356.1 TP355.1
Net-(TP358-Pad1): length 5.1
  Bottom w0.813: TP360.1 TP359.1 TP358.1
Net-(TP361-Pad1): length 5.1
  Bottom w0.813: TP363.1 TP362.1 TP361.1
Net-(TP364-Pad1): length 5.1
  Bottom w0.813: TP366.1 TP365.1 TP364.1
Net-(TP367-Pad1): length 5.1
  Bottom w0.813: TP369.1 TP368.1 TP367.1
Net-(TP370-Pad1): length 5.1
  Bottom w0.813: TP372.1 TP371.1 TP370.1
Net-(TP373-Pad1): length 5.1
  Bottom w0.813: TP373.1 TP374.1 TP375.1
Net-(TP376-Pad1): length 5.1
  Bottom w0.813: TP376.1 TP377.1 TP378.1
Net-(TP379-Pad1): length 5.1
  Bottom w0.813: TP381.1 TP380.1 TP379.1
Net-(TP382-Pad1): length 5.1
  Bottom w0.813: TP384.1 TP383.1 TP382.1
Net-(TP385-Pad1): length 5.1
  Bottom w0.813: TP385.1 TP386.1 TP387.1
Net-(TP388-Pad1): length 5.1
  Bottom w0.813: TP390.1 TP389.1 TP388.1
Net-(TP391-Pad1): length 5.1
  Bottom w0.813: TP391.1 TP392.1 TP393.1
Net-(U1A-+): length 31.1
  Top w0.406: R1.1 R13.1
  Bottom w0.406: R13.1 19.05,33.02 12.09,26.06 12.09,17.17 11.43,16.51 U1.3
Net-(U1A--): length 6.9
  Top w0.406: U1.2 6.35,19.05 5.08,17.78 R9.2
Net-(U1B-+): length 30
  Top w0.406: R14.1 R3.1
  Bottom w0.406: R14.1 20.32,25.4 17.78,22.86 15.24,22.86 13.97,21.59 13.97,12.7 12.7,11.43 U1.5
Net-(U1B--): length 6.1
  Top w0.406: U1.6 7.62,8.89 5.08,11.43 R10.2
Net-(U1C-+): length 14.3
  Top w0.406: R15.1 R5.1
  Bottom w0.406: R5.1 21.59,10.16 19.05,10.16 17.78,11.43 U1.10
Net-(U1C--): length 6.9
  Top w0.406: R11.2 20.32,10.16 19.05,8.89 U1.9
Net-(U1D-+): length 14.3
  Top w0.406: R7.1 R16.1
  Bottom w0.406: U1.12 17.78,16.51 19.05,17.78 21.59,17.78 R16.1
Net-(U1D--): length 6.9
  Top w0.406: U1.13 19.05,19.05 20.32,17.78 R12.2
Net-(U2-SCK): length 7.7
  Top w0.406: U3.9 U2.4
Net-(U2-SDI): length 18
  Top w0.406: U3.11 11.43,59.69 12.7,58.42 16.51,58.42 17.78,59.69 17.78,67.31 U2.5
Net-(U2-~{CS}): length 15.9
  Top w0.406: U3.8 19.05,63.5 20.32,64.77 20.32,69.01 19.48,69.85 15.24,69.85 U2.3
Net-(U3-PA02_A0_D0): length 5
  Top w0.406: R19.1 U3.1
